# Altium PCB smart_mask_v_1_0.PcbDoc
Units mm, origin at the board's own origin, x right, y up, seen from the top; angles counter-clockwise.
Board outline 30 x 35 mm, 4 copper layers (Top Layer, Ground Layer, Power Layer, Bottom Layer), stack 0.603 mm thick; 92 components, 62 nets, 266 pads, 171 vias.
Unrouted connection lines stored in the file: 4.
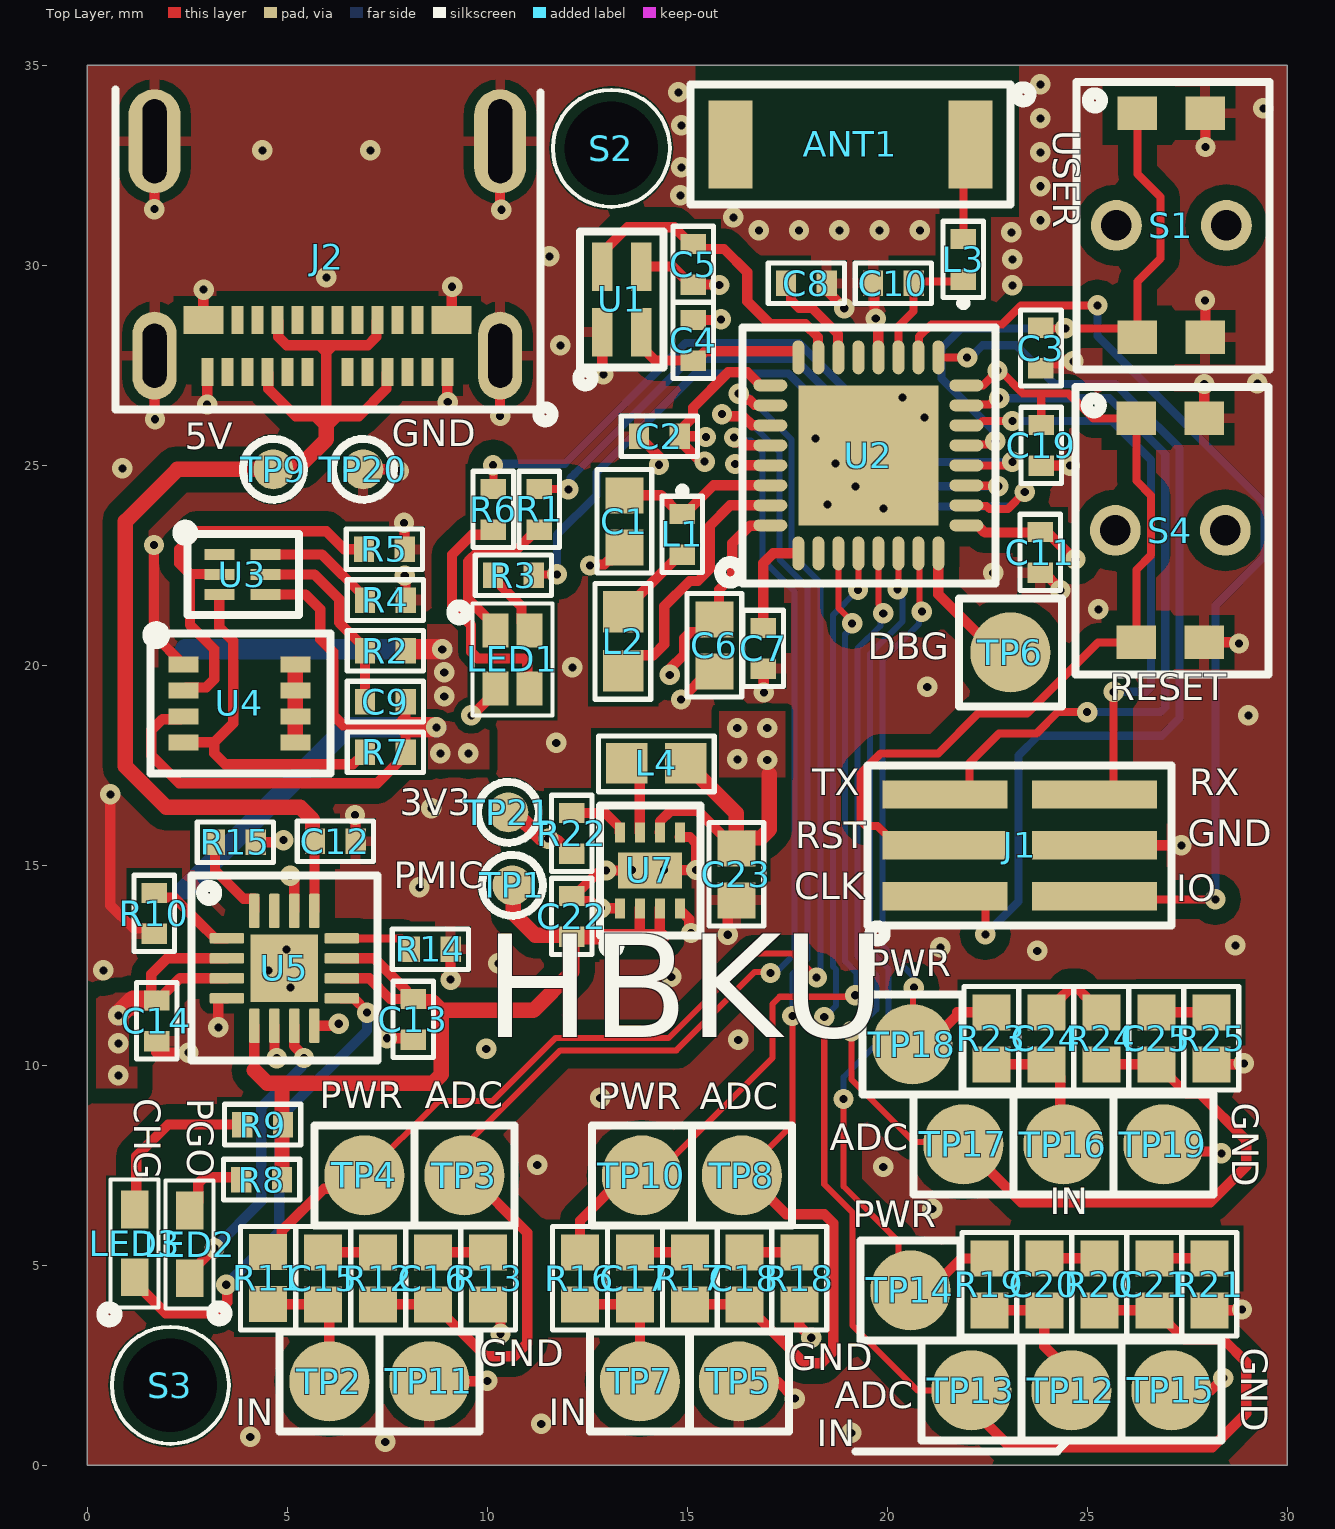
[diagram p0: Top Layer view]
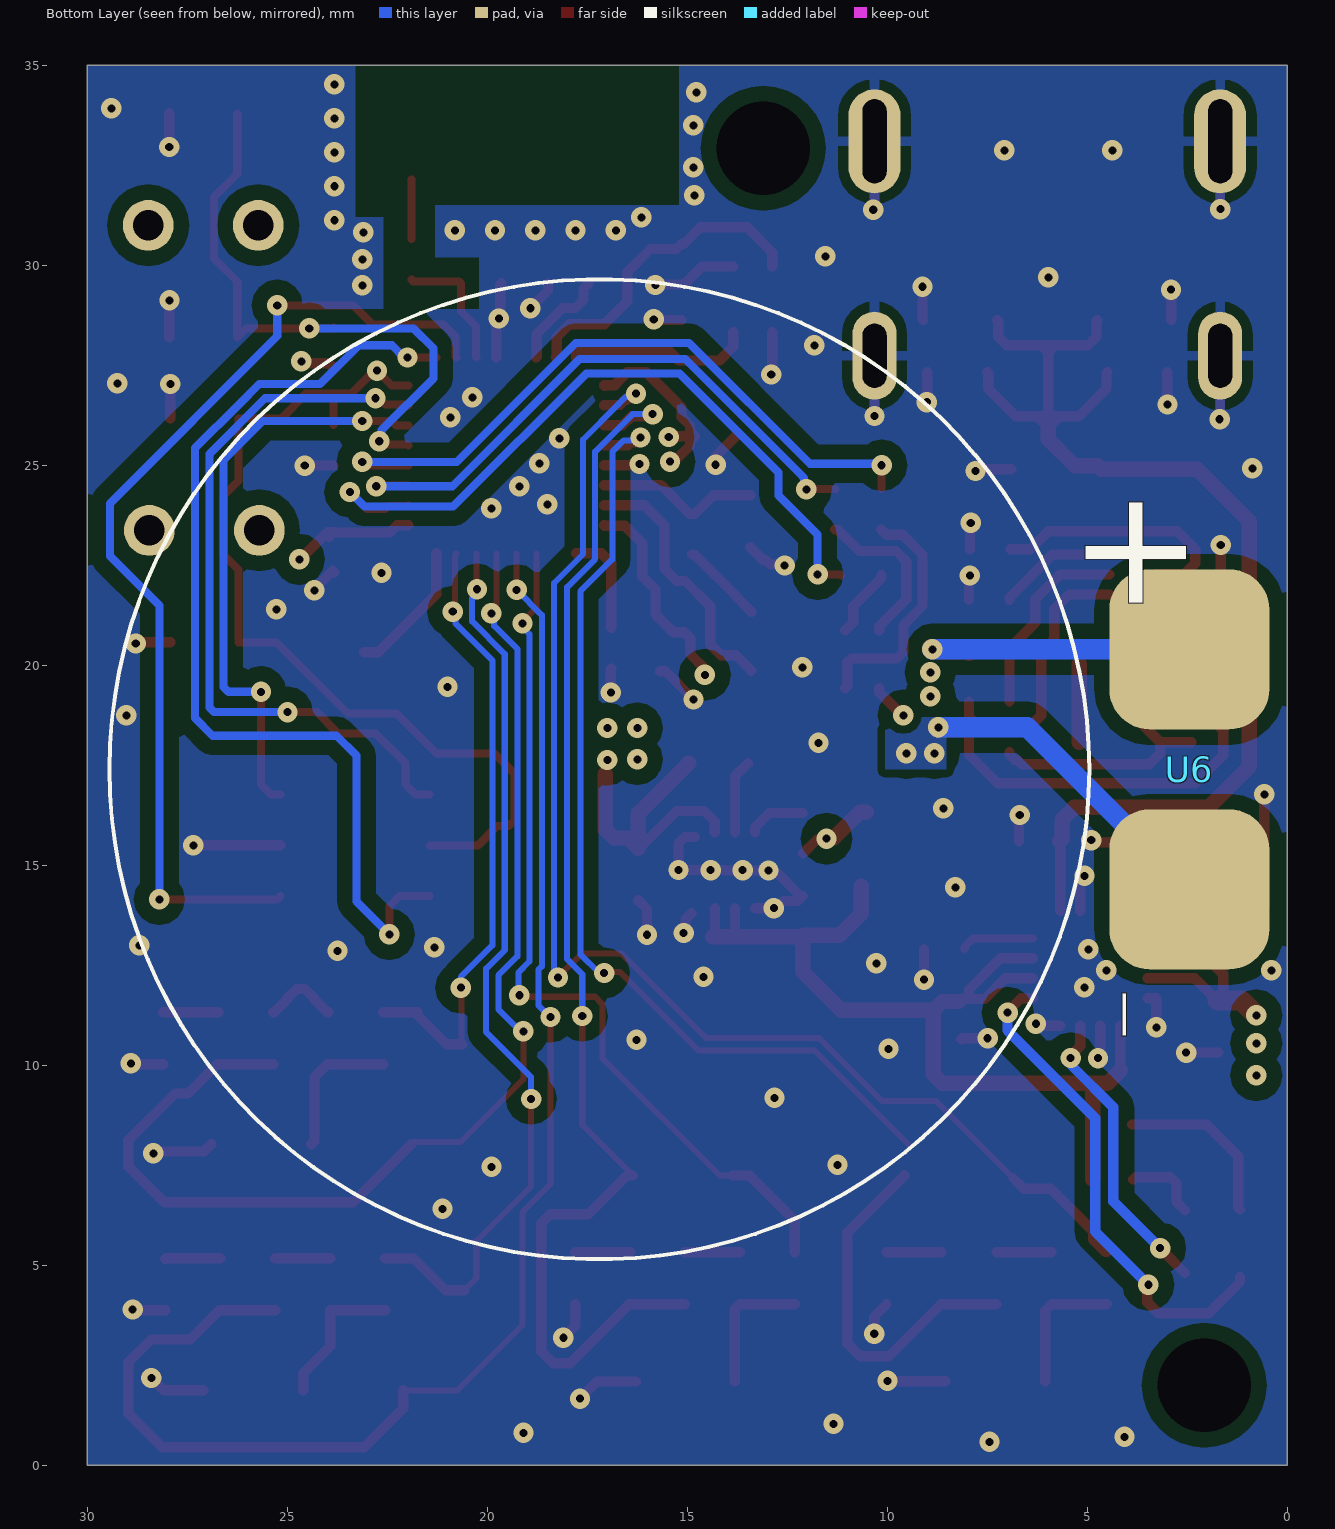
[diagram p1: Bottom Layer view, seen from below]
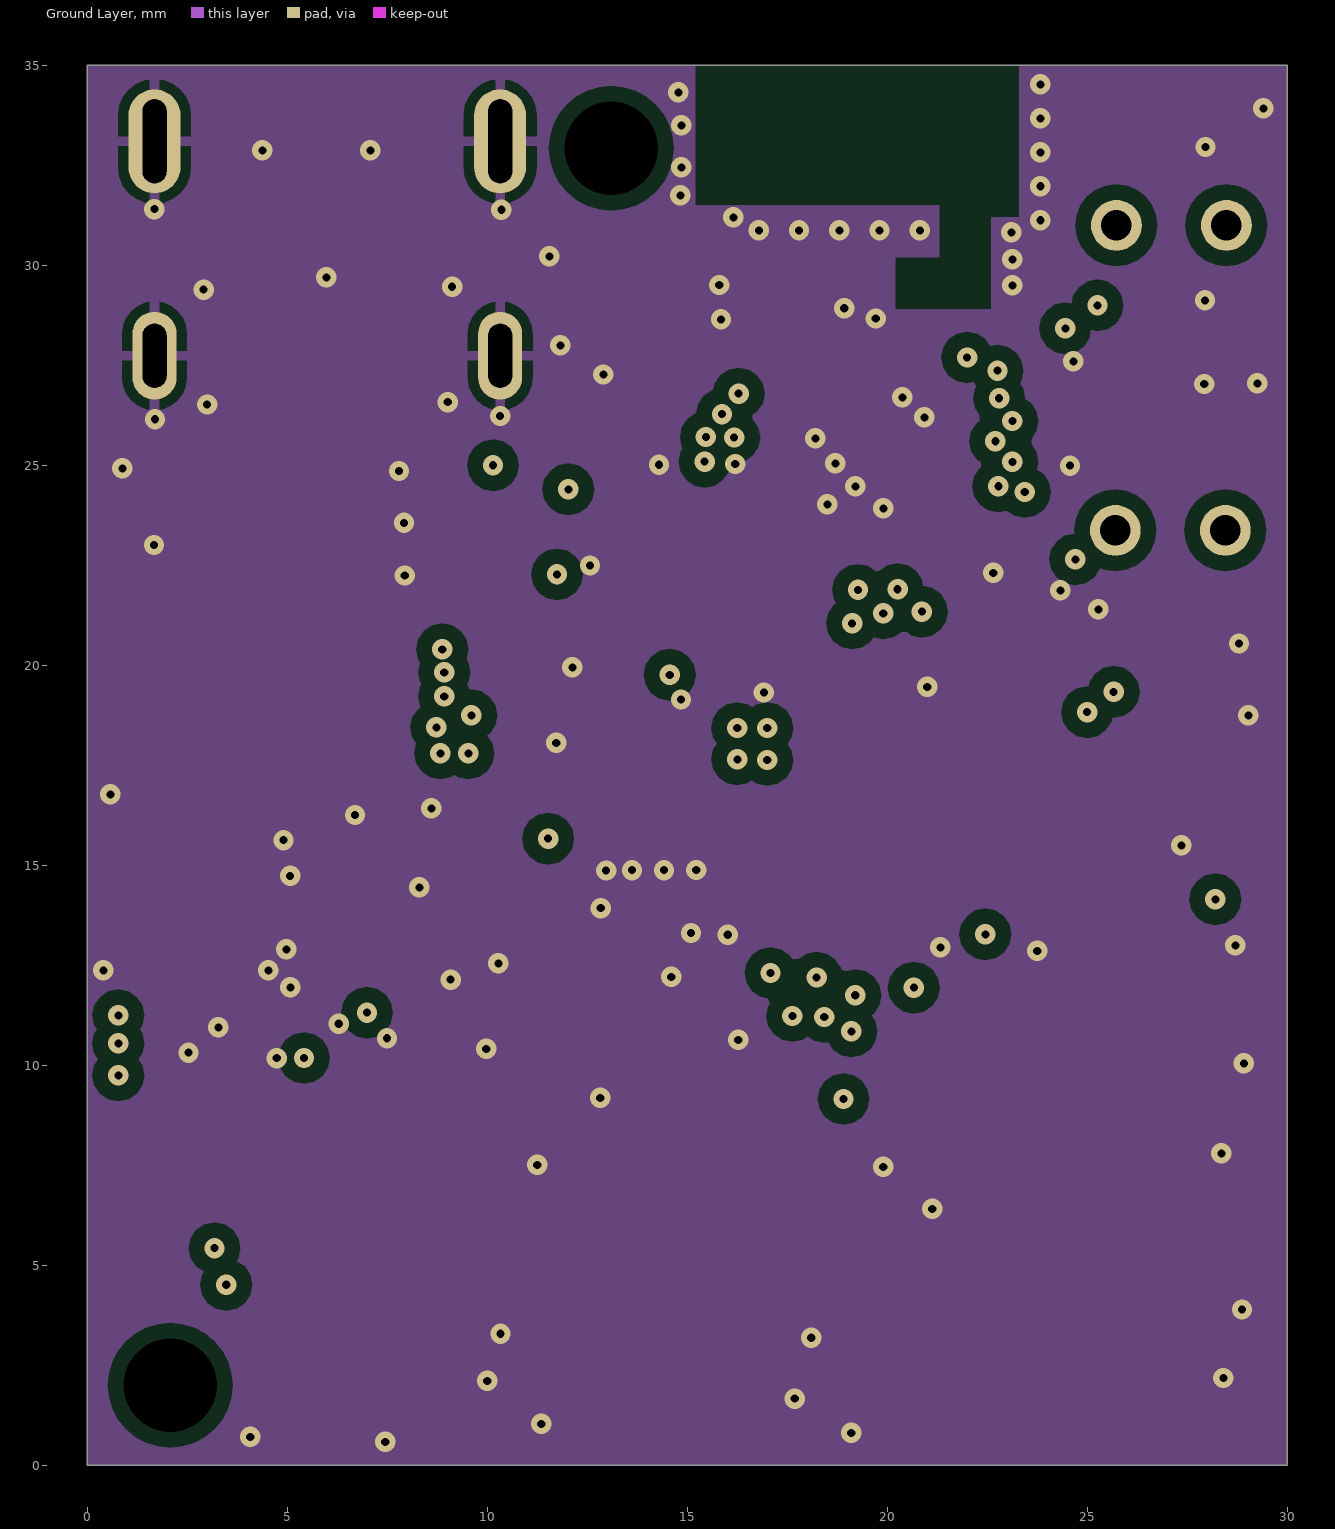
[diagram p2: Ground Layer]
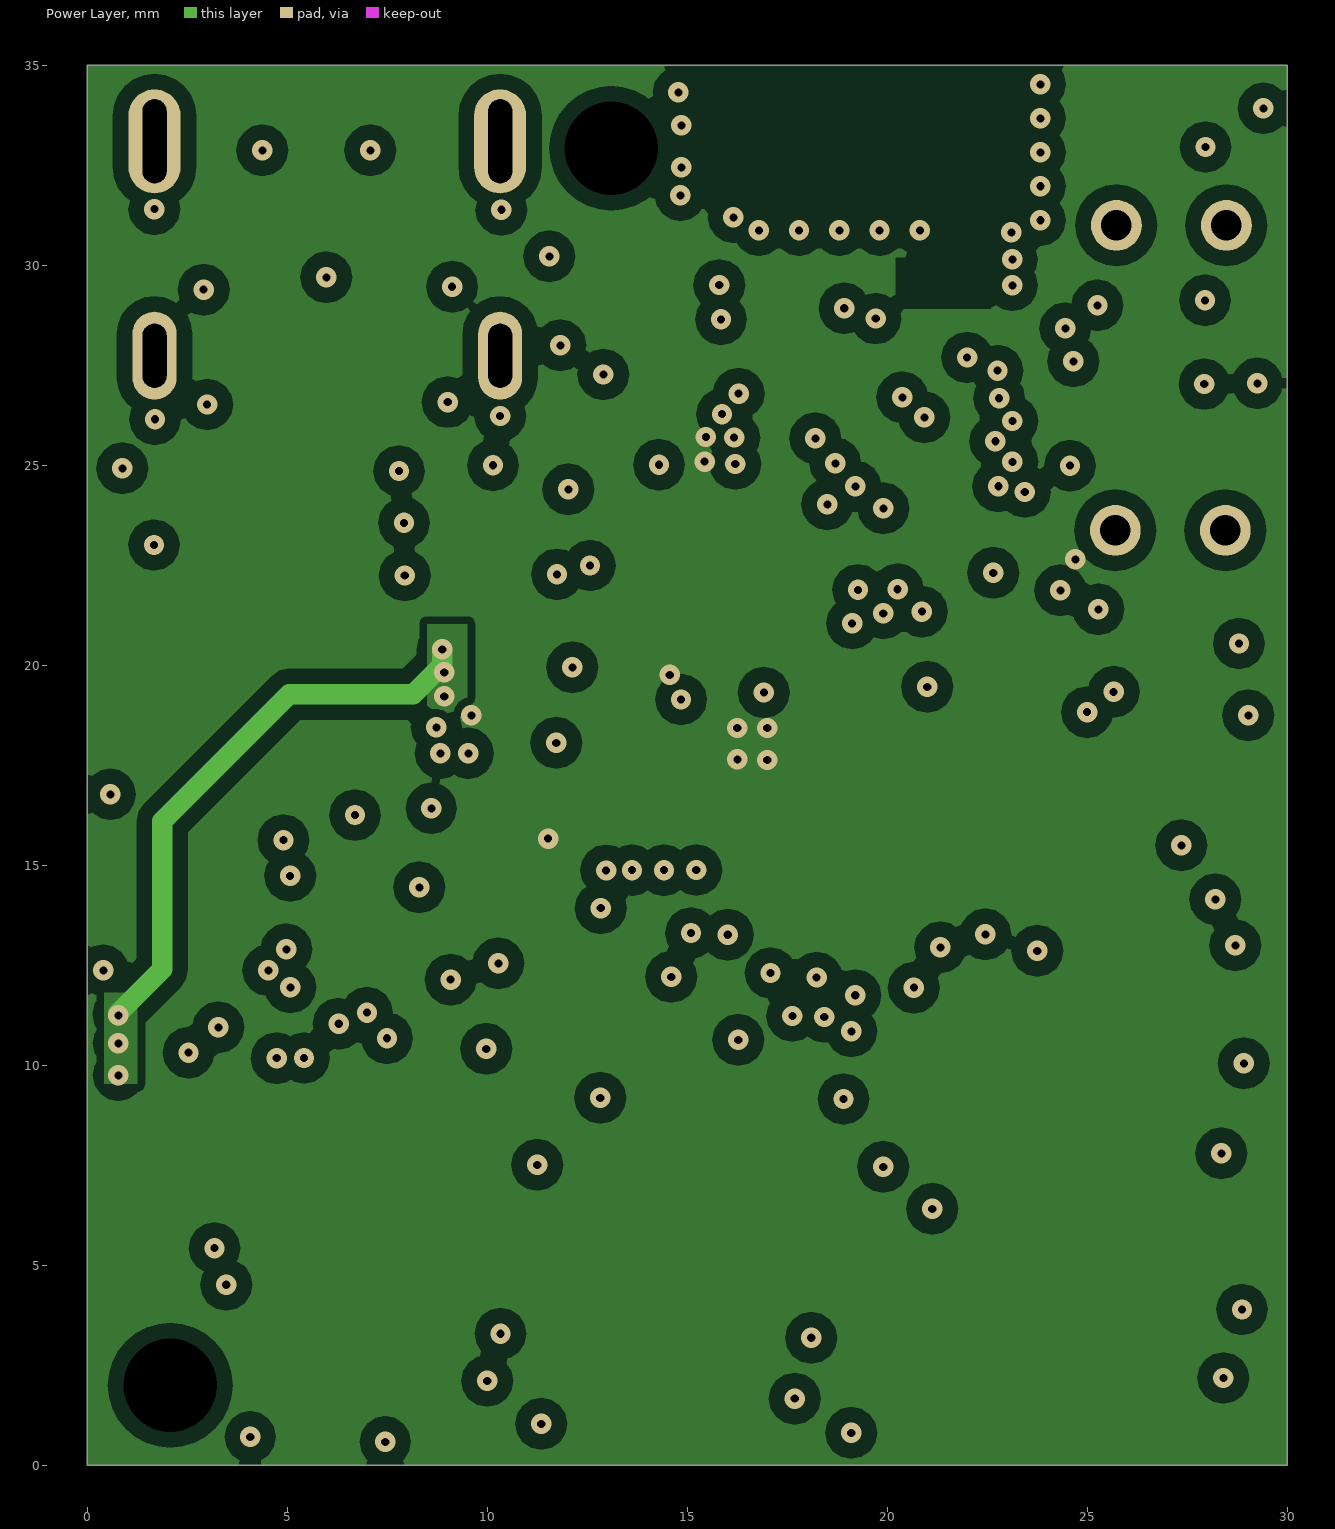
[diagram p3: Power Layer]
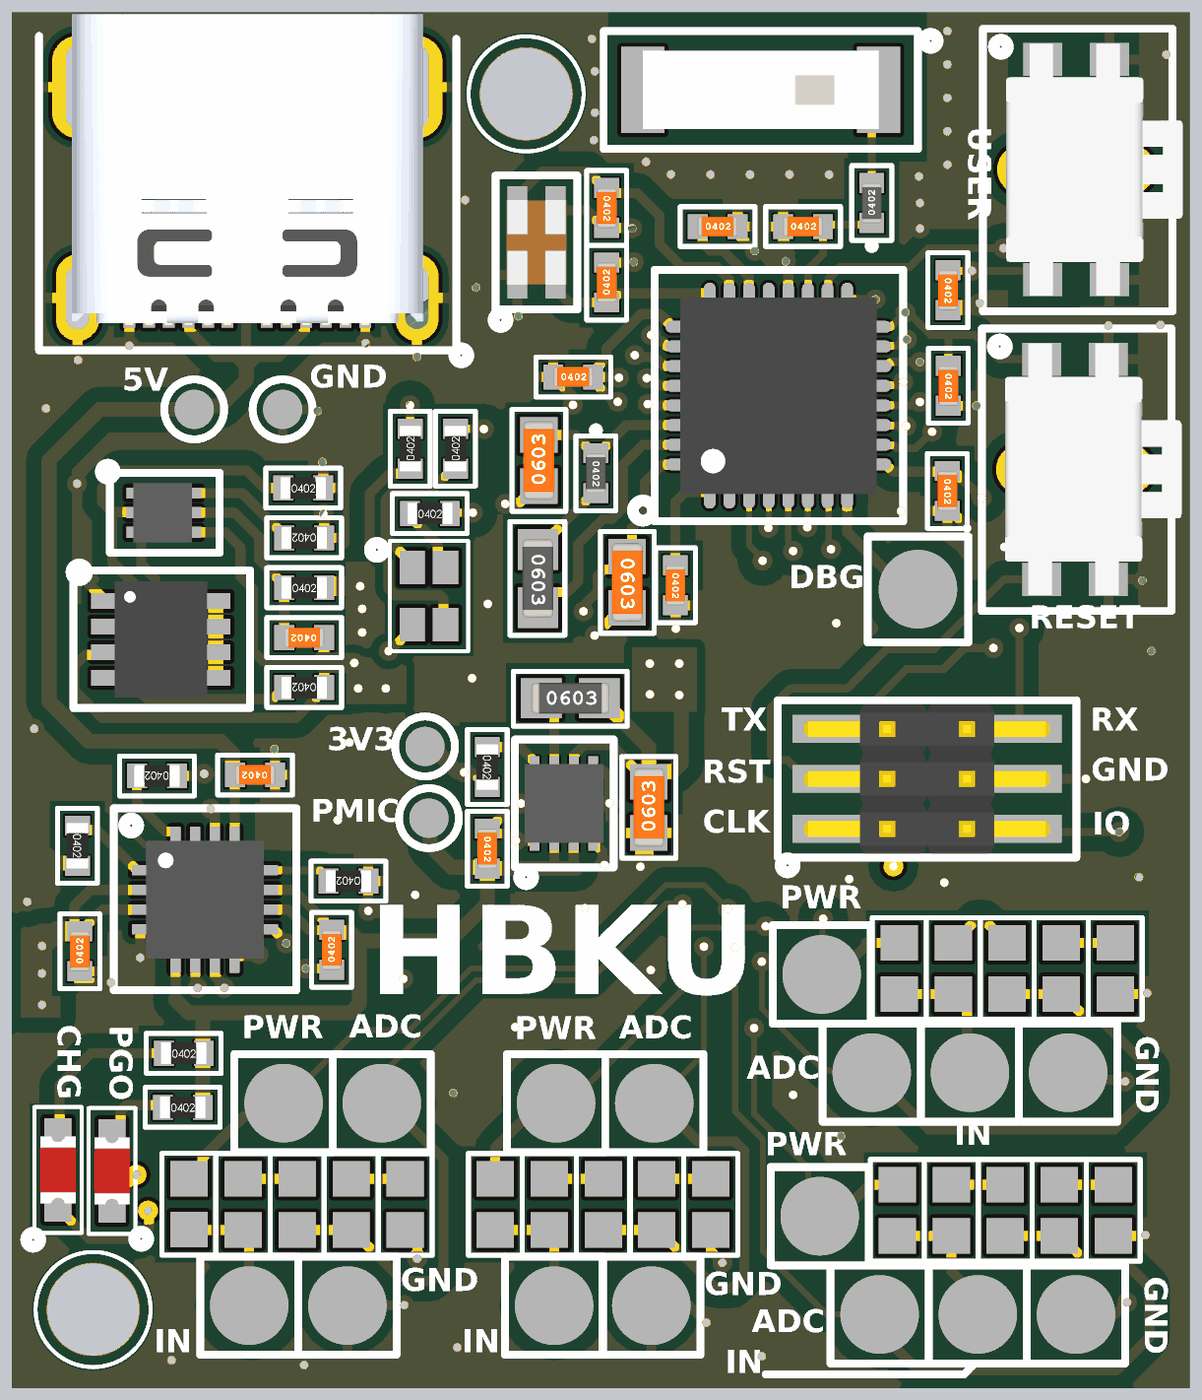
[diagram p4: 3D render of the assembled board from above, using the file's embedded part models]

## Layer stack, top to bottom
Top Solder: solder mask 0.0102, Solder Resist, Dk 3.5
Top Layer: signal copper 0.0356
Dielectric 2: prepreg 0.0711, PP-006, Dk 4.1
Ground Layer: signal copper 0.035
Dielectric 1: dielectric 0.32, FR-4, Dk 4.8
Power Layer: signal copper 0.035
Dielectric 3: prepreg 0.0711, PP-006, Dk 4.1
Bottom Layer: signal copper 0.0356
Bottom Solder: solder mask 0.0102, Solder Resist, Dk 3.5

## Board outline
0,0 30,0 30,35 0,35

## Design rules (kind name [scope] priority, off if disabled: settings)
Clearance Clearance_BAT_PLUS [InNamedPolygon('TOP_3V3') or InNamedPolygon('POWER_BAT_PLUS') or InNamedPolygon('TOP_BAT_PLUS') or InNamedPolygon('POWER_BAT_PLUS_2') or InNamedPolygon('TOP_BAT_MINUS') or InNamedPolygon('BOTTOM_BAT_MINUS')] p1: gap=0.203 ignorepadtopadclearanceinfootprint=FALSE except(0: Arc-Hole Track-Hole SMDPad-Hole THPad-Hole Via-Hole Fill-Hole Poly-Hole Region-Hole Text-Hole)
Clearance Clearance_polygon [InPolygon] p2: gap=0.381 ignorepadtopadclearanceinfootprint=FALSE except(0: Arc-Hole Track-Hole SMDPad-Hole THPad-Hole Via-Hole Fill-Hole Poly-Hole Region-Hole Text-Hole)
Clearance [All] p3: gap=0.152 ignorepadtopadclearanceinfootprint=FALSE except(0: Arc-Hole Track-Hole SMDPad-Hole THPad-Hole Via-Hole Fill-Hole Poly-Hole Region-Hole Text-Hole)
ComponentClearance [All] p1: gap=0 collisioncheckmode=3 verticalgap=0 showdistances=FALSE
MinimumSolderMaskSliver [All] p1: minsoldermaskwidth=0
PolygonConnect PolygonConnect_1 [All vs IsNamedPolygon('TOP_BAT_MINUS') Or IsNamedPolygon('POWER_BAT_PLUS')] p1: thpad.connectstyle=Relief thpad.reliefconductorwidth=0.254 thpad.reliefentries=4 thpad.polygonreliefangle="90 Angle" thpad.airgapwidth=0.254 smdpad.connectstyle=Relief smdpad.reliefconductorwidth=0.254 smdpad.reliefentries=4 smdpad.polygonreliefangle="90 Angle" smdpad.airgapwidth=0.254 via.connectstyle=Direct via.reliefconductorwidth=0.254 via.reliefentries=4 via.polygonreliefangle="90 Angle" via.airgapwidth=0.254
PolygonConnect 3V3_connect [All vs IsNamedPolygon('POWER_3V3')] p2: thpad.connectstyle=Relief thpad.reliefconductorwidth=0.254 thpad.reliefentries=4 thpad.polygonreliefangle="90 Angle" thpad.airgapwidth=0.254 smdpad.connectstyle=Relief smdpad.reliefconductorwidth=0.254 smdpad.reliefentries=4 smdpad.polygonreliefangle="90 Angle" smdpad.airgapwidth=0.254 via.connectstyle=Direct via.reliefconductorwidth=0.254 via.reliefentries=4 via.polygonreliefangle="90 Angle" via.airgapwidth=0.254
PolygonConnect GND_connect [All vs IsNamedPolygon('TOP_GND') Or IsNamedPolygon('BOTTOM_GND')Or IsNamedPolygon('GROUND_GND')] p3: thpad.connectstyle=Relief thpad.reliefconductorwidth=0.254 thpad.reliefentries=4 thpad.polygonreliefangle="90 Angle" thpad.airgapwidth=0.254 smdpad.connectstyle=Relief smdpad.reliefconductorwidth=0.254 smdpad.reliefentries=4 smdpad.polygonreliefangle="90 Angle" smdpad.airgapwidth=0.254 via.connectstyle=Direct via.reliefconductorwidth=0.254 via.reliefentries=4 via.polygonreliefangle="90 Angle" via.airgapwidth=0.254
PolygonConnect [All] p4: thpad.connectstyle=Relief thpad.reliefconductorwidth=0.254 thpad.reliefentries=4 thpad.polygonreliefangle="45 Angle" thpad.airgapwidth=0.254 smdpad.connectstyle=Relief smdpad.reliefconductorwidth=0.254 smdpad.reliefentries=4 smdpad.polygonreliefangle="90 Angle" smdpad.airgapwidth=0.254 via.connectstyle=Direct via.reliefconductorwidth=0.254 via.reliefentries=4 via.polygonreliefangle="90 Angle" via.airgapwidth=0.254
RoutingVias [All] p1: holewidth=0.15 width=0.6 viastyle="Through Hole" minholewidth=0.15 minwidth=0.45 maxholewidth=6.2 maxwidth=6.2
SilkToSilkClearance [All] p1: silktosilkclearance=0
SilkToSolderMaskClearance [IsPad] p1: minsilkscreentomaskgap=0.102 clearancetoexposedcopper=TRUE
SolderMaskExpansion [All] p1: expansion=0.102 istentingtop=FALSE
Width [All] p1: maxlimit=2.54 minlimit=0.152 preferedwidth=0.203
26 further rules are at their usual default settings.

## Components (designator, comment, footprint, x,y, rotation, side; value= is the part's Value field where it differs from the comment)
ANT1 "2450AT43F0100E" ANT_2450AT43F0100E 22.075,33.025 r180 top
C1 "Multilayer Ceramic Capacitor" C0603 13.425,23.6 r90 top value=1uF
C2 "Multilayer Ceramic Capacitor" C0402 14.3,25.725 r0 top value=100nF
C3 "Multilayer Ceramic Capacitor" C0402 23.84,27.932 r270 top value=100nF
C4 "Multilayer Ceramic Capacitor" C0402 15.15,28.125 r90 top value=12pF
C5 "Multilayer Ceramic Capacitor" C0402 15.15,30.025 r270 top value=12pF
C6 "Multilayer Ceramic Capacitor" C0603 15.675,20.5 r270 top value=4.7uF
C7 "Multilayer Ceramic Capacitor" C0402 16.9,20.425 r270 top value=100nF
C8 "Multilayer Ceramic Capacitor" C0402 17.975,29.55 r0 top value=100pF
C9 "Multilayer Ceramic Capacitor" C0402 7.45,19.094 r180 top value=100nF
C10 "Multilayer Ceramic Capacitor" C0402 20.15,29.55 r0 top value=0.8pF
C11 "Multilayer Ceramic Capacitor" C0402 23.825,22.825 r270 top value=100nF
C12 "Multilayer Ceramic Capacitor" C0402 6.2,15.6 r180 top value=1uF
C13 "Multilayer Ceramic Capacitor" C0402 8.15,11.15 r90 top value=4.7uF
C14 "Multilayer Ceramic Capacitor" C0402 1.737,11.113 r90 top value=4.7uF
C15 "Multilayer Ceramic Capacitor" C0603_DNI 5.897,4.675 r90 top value=DNI
C16 "Multilayer Ceramic Capacitor" C0603_DNI 8.647,4.675 r90 top value=DNI
C17 "Multilayer Ceramic Capacitor" C0603_DNI 13.691,4.675 r90 top value=DNI
C18 "Multilayer Ceramic Capacitor" C0603_DNI 16.425,4.675 r90 top value=DNI
C19 "Multilayer Ceramic Capacitor" C0402 23.85,25.5 r270 top value=100nF
C20 "Multilayer Ceramic Capacitor" C0603_DNI 23.925,4.525 r90 top value=DNI
C21 "Multilayer Ceramic Capacitor" C0603_DNI 26.675,4.525 r90 top value=DNI
C22 "Multilayer Ceramic Capacitor" C0402 12.112,13.725 r270 top value=10uF
C23 "Multilayer Ceramic Capacitor" C0603 16.225,14.775 r90 top value=22uF
C24 "Multilayer Ceramic Capacitor" C0603_DNI 23.975,10.675 r90 top value=DNI
C25 "Multilayer Ceramic Capacitor" C0603_DNI 26.725,10.675 r90 top value=DNI
J1 "FTS-103-01-F-DV-TR" CON_6_2_1.27_FTS_103_01 23.308,15.5 r270 top
J2 "1054500101" USB-C-1054500101 6,31.1 r180 top
L1 "IND 15nH 0402" L0402 14.875,23.275 r270 top value=15nH
L2 "IND 10uH 0603" L0603 13.4,20.6 r270 top value=10uH
L3 "IND 3.9nH 0402" L0402 21.9,30.15 r90 top value=3.9nH
L4 "IND 2.2uH 0603" L0603 14.225,17.55 r0 top value=2.2uH
LED1 "rgb_LTST-C19HE1WT" LTST-C19HE1WT-4_V 10.625,20.15 r0 top
LED2 "LTST-C190CKT" LTST-C190CKT 2.556,5.525 r90 top
LED3 "LTST-C190CKT" LTST-C190CKT 1.182,5.55 r90 top
R1 "Thick Film" R0402 11.3,23.9 r90 top value=470R
R2 "Thick Film" R0402 7.45,20.362 r0 top value=330
R3 "Thick Film" R0402 10.65,22.25 r0 top value=470R
R4 "Thick Film" R0402 7.45,21.631 r180 top value=2.2k
R5 "Thick Film" R0402 7.425,22.9 r0 top value=10M
R6 "Thick Film" R0402 10.15,23.9 r90 top value=470R
R7 "Thick Film" R0402 7.45,17.825 r180 top value=10M
R8 "Thick Film" R0402 4.358,7.144 r0 top value=470R
R9 "Thick Film" R0402 4.383,8.518 r0 top value=470R
R10 "Thick Film" R0402 1.675,13.8 r270 top value=10k
R11 "RES DNI 0603" R0603_DNI 4.514,4.679 r90 top value=DNI
R12 "RES DNI 0603" R0603_DNI 7.272,4.675 r270 top value=DNI
R13 "RES DNI 0603" R0603_DNI 10.022,4.675 r270 top value=DNI
R14 "Thick Film" R0402 8.575,12.9 r180 top value=3k
R15 "Thick Film" R0402 3.7,15.575 r180 top value=4.7k
R16 "RES DNI 0603" R0603_DNI 12.315,4.675 r90 top value=DNI
R17 "RES DNI 0603" R0603_DNI 15.066,4.675 r270 top value=DNI
R18 "RES DNI 0603" R0603_DNI 17.8,4.675 r270 top value=DNI
R19 "RES DNI 0603" R0603_DNI 22.55,4.525 r90 top value=DNI
R20 "RES DNI 0603" R0603_DNI 25.3,4.525 r270 top value=DNI
R21 "RES DNI 0603" R0603_DNI 28.05,4.525 r270 top value=DNI
R22 "Thick Film" R0402 12.112,15.8 r270 top value=100k
R23 "RES DNI 0603" R0603_DNI 22.6,10.675 r90 top value=DNI
R24 "RES DNI 0603" R0603_DNI 25.35,10.675 r270 top value=DNI
R25 "RES DNI 0603" R0603_DNI 28.1,10.675 r270 top value=DNI
S1 "TL1014BF160QG" BUTTON_TL1014BF160QG 27.6,31 r90 top
S2 "hole_M2" M2_no_screw 13.1,32.925 r0 top
S3 "hole_M2" M2_no_screw 2.075,2 r0 top
S4 "TL1014BF160QG" BUTTON_TL1014BF160QG 27.573,23.375 r90 top
TP1 "TP_1mm" TP_1mm 10.625,14.5 r90 top
TP2 "TP_2mm" TP_2mm#1 6.05,2.1 r270 top
TP3 "TP_2mm" TP_2mm#1 9.425,7.25 r270 top
TP4 "TP_2mm" TP_2mm#1 6.925,7.25 r270 top
TP5 "TP_2mm" TP_2mm#1 16.288,2.098 r90 top
TP6 "TP_2mm" TP_2mm#2 23.015,20.295 r90 top
TP7 "TP_2mm" TP_2mm#1 13.813,2.098 r90 top
TP8 "TP_2mm" TP_2mm#1 16.363,7.248 r90 top
TP9 "TP_1mm" TP_1mm 4.65,24.9 r90 top
TP10 "TP_2mm" TP_2mm#1 13.863,7.248 r90 top
TP11 "TP_2mm" TP_2mm#1 8.55,2.1 r90 top
TP12 "TP_2mm" TP_2mm#1 24.6,1.875 r90 top
TP13 "TP_2mm" TP_2mm#1 22.1,1.875 r90 top
TP14 "TP_2mm" TP_2mm#1 20.575,4.375 r90 top
TP15 "TP_2mm" TP_2mm#1 27.1,1.875 r90 top
TP16 "TP_2mm" TP_2mm#1 24.4,8.025 r270 top
TP17 "TP_2mm" TP_2mm#1 21.9,8.025 r90 top
TP18 "TP_2mm" TP_2mm#1 20.625,10.525 r90 top
TP19 "TP_2mm" TP_2mm#1 26.9,8.025 r90 top
TP20 "TP_1mm" TP_1mm 6.9,24.9 r90 top
TP21 "TP_1mm" TP_1mm 10.525,16.325 r90 top
U1 "ABM11W-32.0000MHZ-8-B1U-T3" XTAL_32MHz_ABM11W-32.0000MHZ-8-B1U-T3 13.363,29.146 r90 top
U2 "NRF52811_QCAA" NRF52811_QCAA 19.525,25.25 r90 top
U3 "BQ29700DSER" BATT_PROTEC_BQ29700DSER 4.025,22.525 r0 top
U4 "ECH8693R-TL-W" MOSFET_2CHAN_ECH8693R-TL-W 3.825,19.05 r0 top
U5 "BQ24074RGTR" BATT_CHARG_BQ24074RGTR 4.925,12.425 r0 top
U6 "RJD2430C1ST1" COIN_BAT_110_MAH_RJD2430C1ST1 17.048,17.425 r270 bottom
U7 "TPS62172DSGR" REG_BUCK_TPS62172DSGR 14.062,14.875 r90 top

## Footprints (in the part's own frame and the unit in brackets; to place one, negate y for a bottom-side part, rotate by r counter-clockwise, add the part's x,y. Pads: shape width x height; smd on the part's side, far side on the other; paste and mask are expansions set on the pad)
ANT_2450AT43F0100E [mm] "RF ANT 2.4GHZ CHIP SOLDER SMD"
  rect 1.1x2.2 smd: 1(0,0) 2(6,0)
  silkscreen extent -1.5,-1.5 7,1.5, body extent 0,-1 6,1, height 1.2
BATT_CHARG_BQ24074RGTR [mm] "IC LI-ION CHARGE MGMT 16-QFN"
  rrect25% 0.86x0.26 smd: 1(-1.435,0.75) 2(-1.435,0.25) 3(-1.435,-0.25) 4(-1.435,-0.75) 9(1.435,-0.75) 10(1.435,-0.25) 11(1.435,0.25) 12(1.435,0.75)
  rrect25% 0.26x0.86 smd: 5(-0.75,-1.435) 6(-0.25,-1.435) 7(0.25,-1.435) 8(0.75,-1.435) 13(0.75,1.435) 14(0.25,1.435) 15(-0.25,1.435) 16(-0.75,1.435)
  rect 1.68x1.68 smd paste-2: 17(0,0)
  silkscreen extent -2.32,-2.3 2.32,2.32, body extent -1.5,-1.5 1.5,1.5, height 1
BATT_PROTEC_BQ29700DSER [mm] "IC LITHIUM BATT PROTECT 6-SON"
  rect 0.75x0.28 smd: 1(-0.726,0.248) 2(-0.726,-0.252) 3(-0.726,-0.752) 4(0.424,-0.752) 5(0.424,-0.252) 6(0.424,0.248)
  silkscreen extent -1.75,-1.27 1.27,0.97, body extent -0.93,-1 0.57,0.5, height 0.77
BUTTON_TL1014BF160QG [mil] "Push button side actuator"
  rect 33x39 smd paste+0 mask+0: 1(110.24,53.07) 2(110.24,-13.86) 3(-110.24,53.07) 4(-110.24,-13.86)
  round 50 hole 30: 5(0,73.74) 6(0,-34.53)
  silkscreen extent -142,-77 141,113, body extent -126,-87 126,90, height 65
C0402 [mil]
  rect 20x25 smd mask+2: 1(-20,0) 2(20,0)
  silkscreen extent -38,-20 38,20, body extent -20,-10 20,10, height 20
C0603 [mm] "non polarized"
  rect 0.9x0.95 smd: 1(-0.65,0) 2(0.65,0)
  silkscreen extent -1.3,-0.69 1.3,0.69, body extent -1,-0.39 1,0.39, height 0.79
C0603_DNI [mm] "non polarized"
  rect 0.9x0.95 smd: 1(-0.65,0) 2(0.65,0)
  silkscreen extent -1.3,-0.69 1.3,0.69
COIN_BAT_110_MAH_RJD2430C1ST1 [mm] "BATTERY LITHIUM 110mAh 3.7V COIN 24.5MM"
  rrect50% 4x4 smd: 1(-2.975,14.598) 2(3.025,14.598)
  silkscreen extent -12.22,-12.4 12.27,12.1, body extent -12.22,-12.4 12.28,16.1, height 3.35
CON_6_2_1.27_FTS_103_01 [mil] "CONN HEADER SMD 6POS 1.27MM"
  rect 28x123 smd paste+0 mask+0: 1(50,-73.5) 2(50,73.5) 3(0,-73.5) 4(0,73.5) 5(-50,-73.5) 6(-50,73.5)
  silkscreen extent -79,-150 94,150, body extent -75,-123 75,123, height 170
L0402 [mil]
  rect 20x25 smd mask+2: 1(-20,0) 2(20,0)
  silkscreen extent -45,-20 38,20, body extent -20,-10 20,10, height 20
L0603 [mm]
  rect 1.04x1.02 smd: 1(-0.74,0) 2(0.74,0)
  silkscreen extent -1.45,-0.71 1.45,0.69, body extent -1,-0.39 1,0.39, height 0.79
LTST-C19HE1WT-4_V [mm] "SMD, 4-Leads, Body 1.6x1.6mm, Pitch 0.85mm"
  rect 0.65x0.85 smd: 1(-0.425,0.725) 2(0.425,0.725) 3(0.425,-0.725) 4(-0.425,-0.725)
  silkscreen extent -1.5,-1.4 1,1.4, body extent -0.8,-0.8 0.8,0.8, height 0.35
LTST-C190CKT [mm] "LED RED 0603"
  rect 0.94x0.69 smd: A(0.845,0) C(-0.845,0)
  silkscreen extent -1.9,-0.92 1.6,0.6, body extent -0.85,-0.45 0.85,0.45, height 0.9
M2_no_screw [mm] "Screw M2"
  round 1.508 hole 2.34: 1(0,0)
  silkscreen extent -1.46,-1.46 1.46,1.46
MOSFET_2CHAN_ECH8693R-TL-W [mm] "MOSFET 2N-CH 24V 14A SOT-28"
  rect 0.75x0.4 smd: 1(-1.425,0.975) 2(-1.425,0.325) 3(-1.425,-0.325) 4(-1.425,-0.975) 5(1.375,-0.975) 6(1.375,-0.325) 7(1.375,0.325) 8(1.375,0.975)
  silkscreen extent -2.3,-1.75 2.25,1.9, body extent -1.21,-1.49 1.16,1.47, height 0.95
NRF52811_QCAA [mm] "Nordic Bluetooth 5.1 chip 32 pins QFN32"